# KiCad board prototype_01.kicad_pcb (continued)
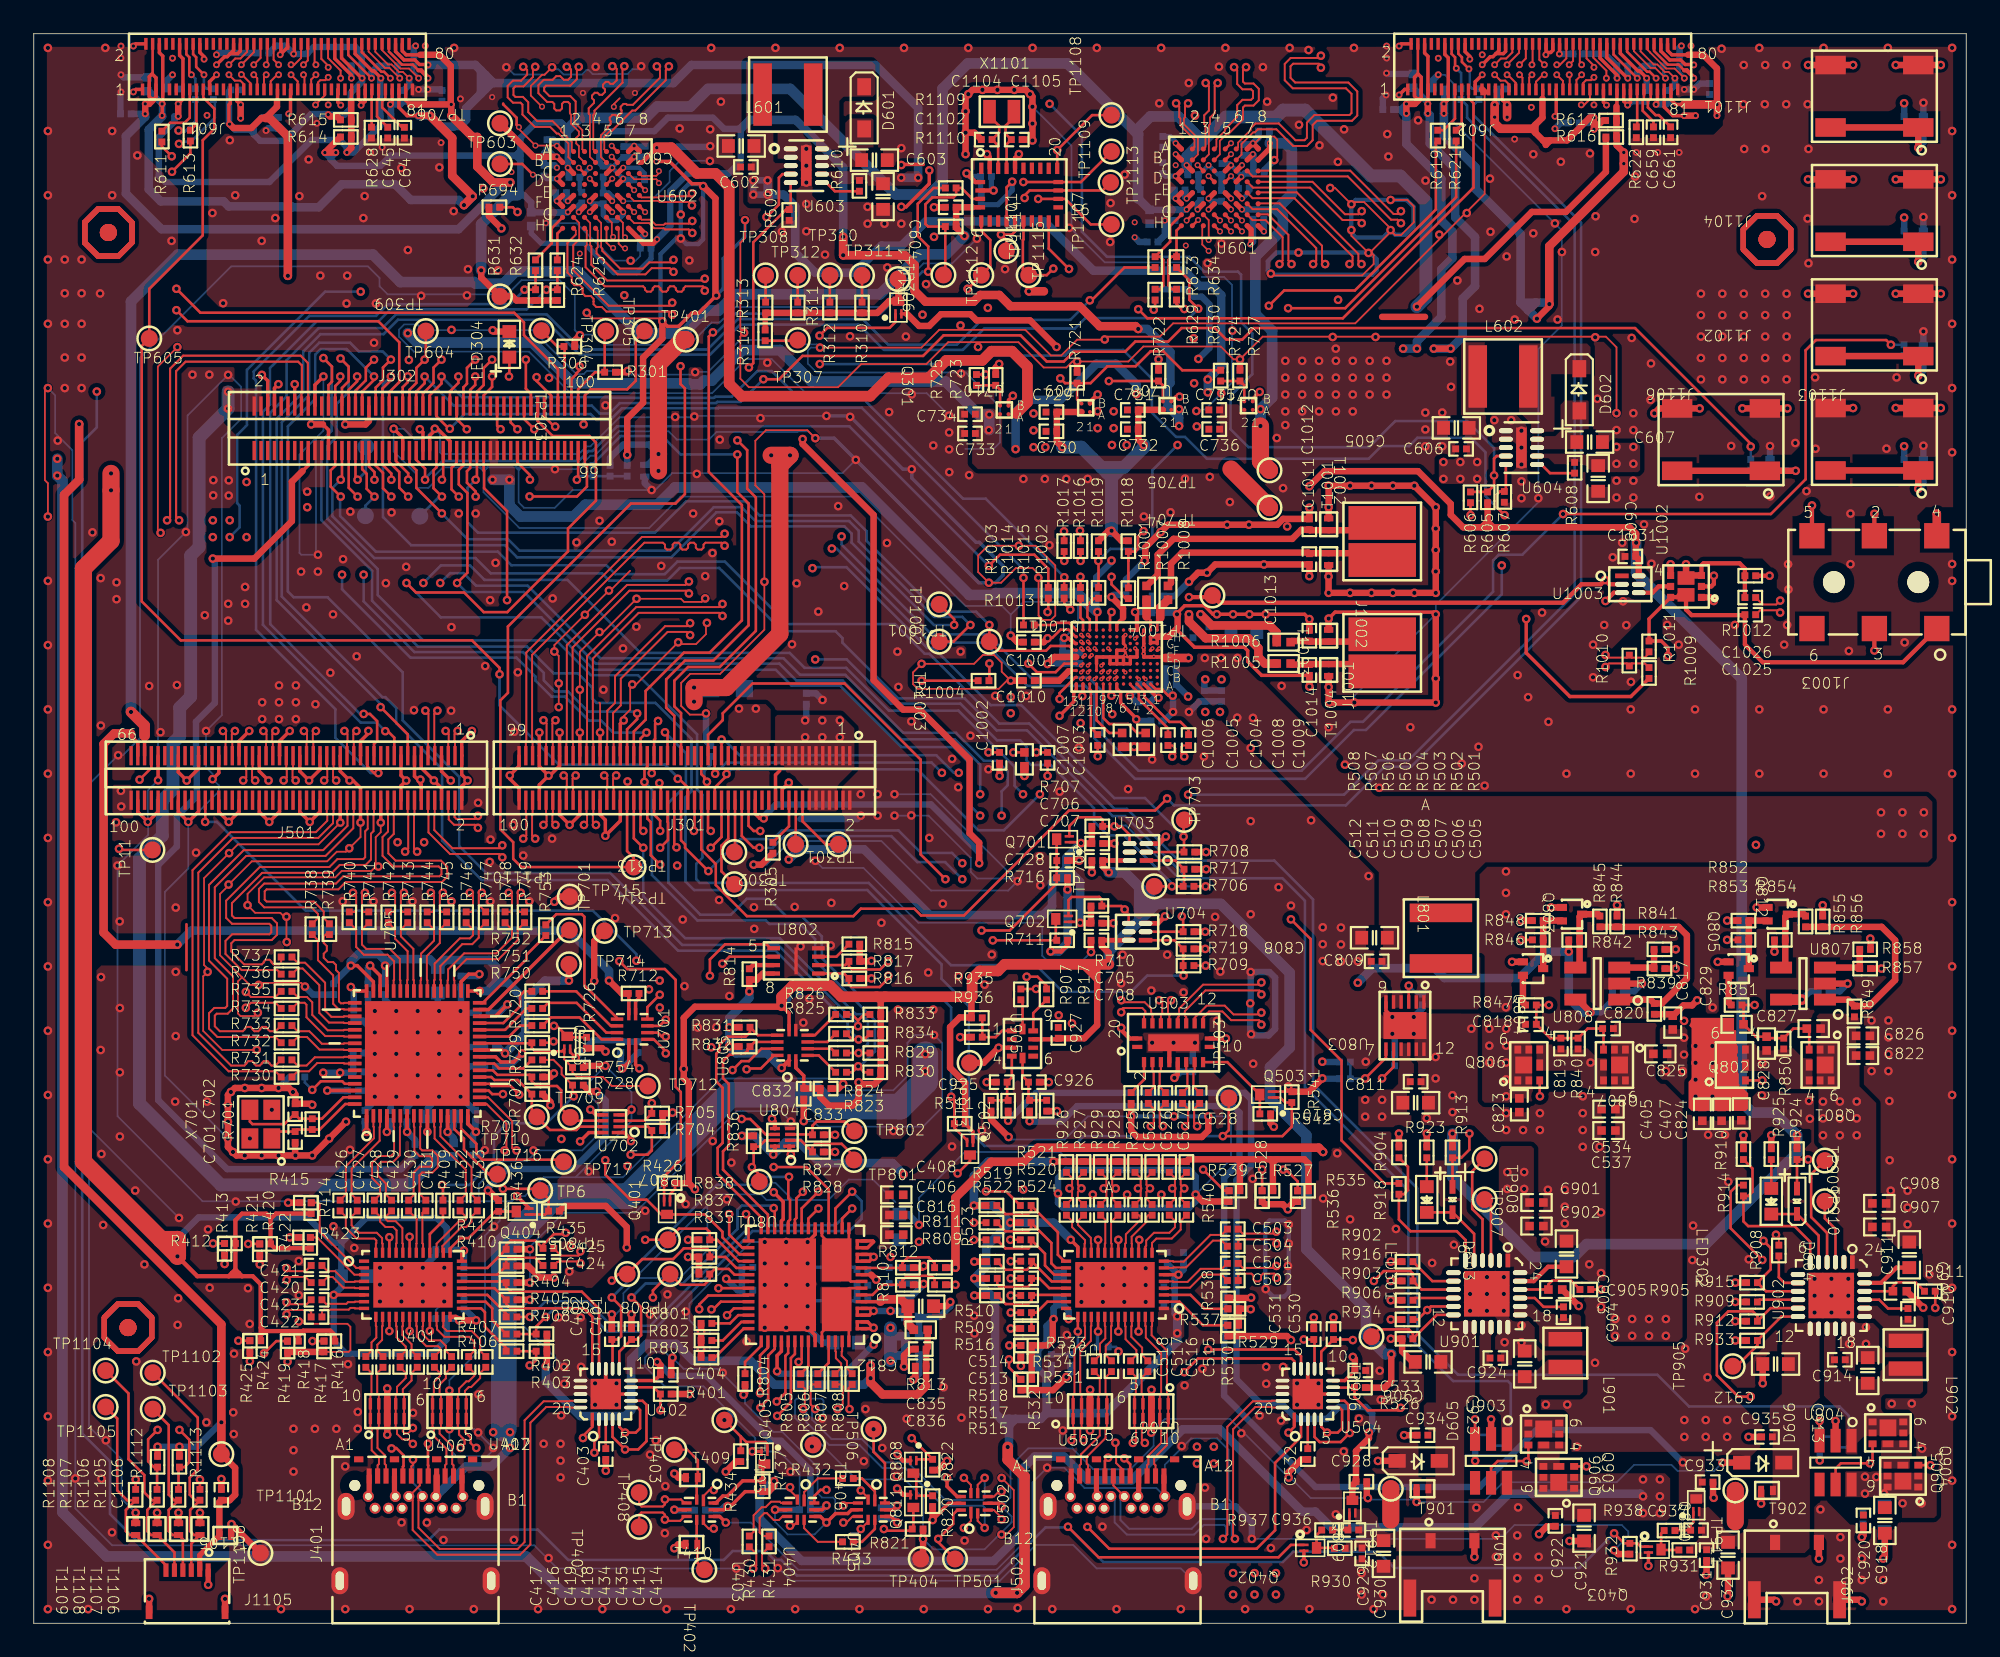
[diagram p0: board, top side]
## Routing (per net, layer and track width the routed paths; a pad name or vN(x,y) marks a point on that pad's centre or on a via; arc(x,y) is an arc through that point) (continued)
  ART03 w0.114: J502.B10 62.42,7.05 62.42,8.5 62.05,8.86 62.05,10.68 v1(62.22,10.85)
R_RX2+: length 10.2
  TOP w0.114: U501.40 66.29,17.63 66.26,17.6 66.26,17.07 67.17,16.17 67.17,13.61 67.25,13.53 U506.1 U506.10 67.25,11.61 67.17,11.53 67.17,10.55 66.42,9.8 66.42,9.44 66.5,9.37 J502.A11
R_RX2-: length 10.2
  TOP w0.114: J502.A10 66,9.37 66.07,9.44 66.07,9.94 66.83,10.7 66.83,11.53 66.75,11.61 U506.9 U506.2 66.75,13.53 66.83,13.61 66.83,16.02 65.92,16.93 65.92,17.6 65.89,17.63 U501.39
R_RX2N: length 34.1
  TOP w0.114: C502.1 71.4,20.61 71.51,20.73 72.18,20.73 72.29,20.61 72.29,20.38 72.41,20.27 72.64,20.27 72.75,20.38 72.75,20.61 72.87,20.73 73.54,20.73 73.66,20.61 v1(73.66,20.47) ; U503.14 68.31,35.94 68.24,36.02 68.24,36.29 69.46,37.52 72.66,37.52 72.77,37.4 v1(72.77,37.28)
  ART06 w0.114: v1(73.66,20.47) 73.47,20.66 72.69,20.66 72.38,20.97 72.38,21.72 72.69,22.03 74.66,22.03 77.74,25.11 77.74,34.43 74.69,37.48 72.89,37.48 72.77,37.36 v1(72.77,37.28)
R_RX2P: length 34.2
  TOP w0.114: v1(72.77,37.99) 72.64,37.86 69.31,37.86 67.89,36.44 67.89,35.99 67.81,35.91 U503.15 ; C501.1 71.66,21.07 73.54,21.07 v1(73.66,21.18)
  ART06 w0.114: v1(72.77,37.99) 72.94,37.82 73.4,37.82 73.61,38.03 73.86,38.03 74.07,37.82 74.83,37.82 75,37.65 75.31,37.65 75.48,37.48 75.48,37.17 75.65,37.01 75.95,37.01 76.12,36.84 76.12,36.53 76.29,36.36 76.6,36.36 76.77,36.19 76.77,35.88 78.08,34.57 78.08,24.97 74.81,21.69 72.83,21.69 72.72,21.58 72.72,21.11 72.83,21 73.47,21 v1(73.66,21.18)
R_SBU1: length 19.8
  TOP w0.152: v1(57.91,18.41) R517.2 ; 74.72,15.09 74.72,15.53 74.56,15.7 69.01,15.7 v1(68.2,14.88)
  ART06 w0.152: v1(57.91,18.41) 58.44,18.41 60.36,16.49 63.6,16.49 63.75,16.65 66.44,16.65 v1(68.2,14.88)
R_SBU2: length 20
  TOP w0.152: v1(57.91,19.43) R518.2 ; 75.12,15.09 75.12,15.84 74.73,16.23 v1(69.62,16.23)
  ART06 w0.152: v1(69.62,16.23) 67.58,16.23 65.43,18.38 62.08,18.38 61.04,19.43 v1(57.91,19.43)
R_SPI_CLK: length 70.8
  TOP w0.152: R619.2 83.11,87.76 83.11,83.81 78.31,79.01 74.12,79.01 v1(73.21,78.1) ; J301.44 39.97,47.14 v1(40.13,46.97)
  ART03 w0.122: v1(40.13,46.97) 40.57,46.97 42.57,48.97 46.41,48.97 49.33,51.89 49.33,58.63 56.79,66.1 65.7,66.1 70.89,71.28 70.89,72.13 73.06,74.3 73.06,77.95 v1(73.21,78.1)
R_SPI_CS: length 92.5
  TOP w0.152: J301.42 40.37,49.54 41.07,50.24 v1(41.07,50.35)
  ART03 w0.122: v1(59.64,49.15) 60.06,48.73 64.89,48.73 65.54,48.08 67.39,48.08 v1(68.43,49.12)
  BOTTOM w0.152: v1(41.07,50.35) 41.34,50.62 52.38,50.62 55.99,47.02 57.51,47.02 v1(59.64,49.15) ; R618.2 84.96,89.98 84.96,89.26 91.34,82.88 91.34,61.01 81.48,51.16 79.71,51.16 77.67,49.12 v1(68.43,49.12)
R_SPI_MISO: length 73.1
  TOP w0.152: R621.2 84.32,84.54 77.74,77.96 v1(74.36,77.96) ; v1(39.13,46.97) 39.17,47.01 J301.48
  ART03 w0.122: v1(74.36,77.96) 73.69,78.63 72.98,78.63 72.72,78.37 72.72,74.44 70.6,72.33 70.6,71.45 65.54,66.39 56.54,66.39 48.79,58.64 48.79,52.15 46,49.35 42.29,49.35 40.74,47.8 39.96,47.8 v1(39.13,46.97)
R_SPI_MOSI: length 98.2
  TOP w0.152: v1(67.18,48.89) 66.47,48.18 61.37,48.18 55.14,41.96 52.6,41.96 52.2,42.36 49.03,42.36 48.59,41.92 42.28,41.92 40.43,43.77 40.43,45.01 39.57,45.87 J301.46
  BOTTOM w0.152: R620.2 85.34,90 85.34,89.41 91.72,83.04 91.72,60.85 81.65,50.78 80.07,50.78 77.77,48.49 67.59,48.49 v1(67.18,48.89)
R_STAT: length 4.9
  TOP w0.152: U901.5 85.38,23.09 D603.2 84.09,24.36 LED301.2
R_STBY: length 70.2
  TOP w0.152: v1(20.2,66.79) 19.74,67.25 19.74,68.15 19.47,68.41 J302.33 ; v4(68.99,86.44) U601.C3
  ART06 w0.122: v1(20.2,66.79) 20.2,65.91 21.65,64.46 31.14,64.46 33.58,66.91 33.58,69.19 36.72,72.32 44.97,72.32 45.44,72.79 50.13,72.79 53.03,75.68 55.27,75.68 56.15,76.56 58.8,76.56 63.09,80.85 63.09,85.18 66.06,88.14 68.53,88.14 68.99,87.68 v4(68.99,86.44)
  BOTTOM w0.152: TP601.1 19.66,66.26 v1(20.2,66.79)
R_TX1+: length 6.9
  TOP w0.114: J502.A2 62,9.37 62.07,9.44 62.07,10.01 63.19,11.12 63.19,11.53 63.11,11.61 U505.4 U505.7 63.11,13.53 63.19,13.61 63.19,14.6 C518.2
R_TX1-: length 6.9
  TOP w0.114: C517.2 63.53,14.57 63.53,13.61 63.61,13.53 U505.6 U505.5 63.61,11.61 63.53,11.53 63.53,10.98 62.42,9.86 62.42,9.44 62.5,9.37 J502.A3
R_TX2+: length 8.9
  TOP w0.114: v1(65.86,10.69) 65.68,10.87 65.68,11.55 65.75,11.61 U506.7 U506.4 65.75,13.53 65.67,13.61 65.67,14.55 C515.2
  ART03 w0.114: J502.B2 66.42,7.05 66.42,8.49 65.68,9.23 65.68,10.51 v1(65.86,10.69)
R_TX2-: length 8.9
  TOP w0.114: C516.2 65.33,14.62 65.33,13.61 65.25,13.53 U506.5 U506.6 65.25,11.61 65.34,11.52 65.34,10.88 v1(65.15,10.69)
  ART03 w0.114: v1(65.15,10.69) 65.34,10.51 65.34,9.08 66.07,8.35 66.07,7.05 J502.B3
R_TX2N: length 24.1
  TOP w0.114: v1(73.66,22.5) 73.66,22.64 73.54,22.76 71.51,22.76 71.4,22.64 C504.1 ; U503.12 69.31,35.91 69.67,36.27 70.46,36.27 70.98,35.75 72.63,35.75 72.77,35.62 v1(72.77,35.49)
  ART06 w0.114: v1(72.77,35.49) 72.95,35.67 74.16,35.67 75.13,34.7 75.13,26.53 72.52,23.91 72.52,23 72.83,22.69 73.47,22.69 v1(73.66,22.5)
R_TX2P: length 24.2
  TOP w0.114: C503.1 71.66,23.1 73.54,23.1 v1(73.66,23.22) ; v1(72.77,36.2) 72.66,36.1 71.12,36.1 70.6,36.61 69.53,36.61 68.81,35.9 U503.13
  ART06 w0.114: v1(73.66,23.22) 73.47,23.03 72.97,23.03 72.86,23.15 72.86,23.77 75.47,26.38 75.47,34.84 74.3,36.02 72.95,36.02 v1(72.77,36.2)
R_VBAT: length 1.9
  TOP w1.016: 80.44,6.12 TP912.1
R_VBUS: length 42.1
  TOP w0.203: U801.3 49.53,18.27 v1(49.78,18.52) 49.63,18.67 U801.4
  TOP w0.305: J502.B4 65.5,7.57 J502.A9 ; J502.B9 63,7.57 J502.A4
  ART05 w0.762: v1(50.78,15.57) 50.78,14.37 54.86,10.29 56.36,10.29 57.18,9.47 59.18,9.47
  ART06 w0.762: 62.41,8.92 61.75,8.92 60.66,10.01 59.56,10.01 59.03,9.47 57.15,9.47 56.36,10.26 54.89,10.26 50.78,14.37 v1(50.78,15.57) v1(50.78,17.52) v1(50.78,18.52) v1(49.78,18.52)
  BOTTOM w0.381: v1(49.78,18.52) v1(50.78,18.52) 51.3,18.52 C815.1
  BOTTOM w0.508: v1(50.78,15.57) 51.09,15.88 C535.1 C536.1 50.78,17.02
  BOTTOM w0.762: v1(50.78,15.57) v1(50.78,17.52)
  vias: v1(68.95,10.46) v1(68.95,9.46) v1(69.95,10.46) v1(69.95,9.46) v1(93.75,18.04) v1(93.75,17.04) v1(94.75,18.04) v1(94.75,17.04) v1(95.75,18.04) v1(95.75,17.04) v1(96.75,18.04) v1(96.75,17.04)
R_VDD1_1V8: length 47.6
  TOP w0.203: v5(83.59,90.07) 83.85,90.33 J602.13 83.85,92.81 83.65,93.01 J602.12 ; J602.63 93.85,89.95 93.82,89.92 ; J602.64 94.05,93.07 95.08,92.04 95.18,92.04 95.61,91.61 v5(95.61,91.6)
  TOP w0.381: v1(89.84,78.21) 89.84,78.08 v1(89.1,77.34) ; 93.82,89.92 R617.1 93.82,88.12 R616.1 93.83,87.62 v5(94.25,87.2) ; v5(83.59,89.51) v5(83.59,90.07)
  TOP w0.508: v5(94.25,87.2) v5(94.25,86.53) 94.25,86.06 89.84,81.64 89.84,78.21 v1(89.84,78.21)
  ART03 w0.381: v5(94.25,86.53) v5(94.25,87.2) 94.25,88.06 95.61,89.41 v5(95.61,91.6)
  BOTTOM w0.381: C656.2 83.61,90.09 v5(83.59,90.07) ; v5(95.61,91.6) 95.61,90.9 C651.2
  BOTTOM w0.508: 89.04,78.29 89.75,78.29 v1(89.84,78.21) ; 89.04,78.29 88.14,78.29 ; 89.04,78.29 88.59,77.84 ; 88.14,78.29 88.13,78.3 88.13,82.36 85.48,85.02 85.48,86.3 83.59,88.19 v5(83.59,89.51) v5(83.59,90.07) ; 88.14,78.29 88.59,77.84 ; 88.59,77.84 88.6,77.84 v1(89.1,77.34)
R_VDD_10V: length 72
  TOP w0.203: J602.76 96.45,93.21 96.98,92.68 97.62,92.68 97.89,92.41 98.38,92.41 v5(98.4,92.39) ; 82.65,90.08 J602.7 82.65,92.89 82.45,93.09 J602.6 ; v5(97.84,89.38) 97.16,89.38 96.65,89.89 J602.77
  TOP w0.381: 82.65,90.08 v5(82.64,90.07) v5(82.64,89.51) ; v1(82.99,75.56) v1(83.99,75.56) ; v5(97.84,89.38) v5(98.51,89.38)
  ART06 w0.381: v1(94.82,68.74) v1(94.82,69.74) ; v1(94.82,69.74) 96.31,69.74 96.98,70.41 96.98,88.51 v5(97.84,89.38) v5(98.51,89.38) 98.77,89.38 99.14,89.74 99.14,91.65 v5(98.4,92.39) ; v1(94.82,69.74) v1(93.82,69.74) ; v1(93.82,69.74) 93.35,69.74 87.52,75.56 v1(83.99,75.56) v1(82.99,75.56) ; v1(93.82,69.74) v1(93.82,68.74)
  BOTTOM w0.381: C650.2 82.64,90.16 v5(82.64,90.07) v5(82.64,89.51)
  BOTTOM w0.508: v5(82.64,89.51) 82.75,89.39 82.75,87.73 84.26,86.22 84.26,83.35 85.44,82.18 85.44,79.26 84.7,78.53 84.7,76.28 v1(83.99,75.56) v1(82.99,75.56)
REXT: length 3.7
  TOP w0.152: v1(16.51,31.62) 17.02,32.13 18.29,32.13 18.44,31.98 U705.61
  BOTTOM w0.152: v1(16.51,31.62) 16.07,32.06 R713.2
RLV1A: length 35.3
  TOP w0.114: U601.F7 72.25,83.83 73.71,83.83 76.02,81.52 76.02,80.76 v1(75.84,80.58) ; v5(86.6,91.8) 86.94,91.46 87.22,91.46 87.45,91.23 J602.31
  ART03 w0.102: 83.77,91.07 83.79,91.07 83.86,91.14 86.21,91.14 86.43,91.36 86.43,91.64 v5(86.6,91.8)
  ART03 w0.114: v1(75.84,80.58) 76.02,80.39 76.02,79.91 76.52,79.41 77.14,79.41 77.46,79.73 77.46,84.29 78.65,85.48 81.62,85.48 82.12,85.99 82.12,87.74 80.63,89.23 79.14,89.23 78.96,89.42 78.96,90.81 79.21,91.07 83.77,91.07
RLV1B: length 35.3
  TOP w0.114: v5(86.6,92.4) 86.97,92.77 87.28,92.77 87.65,93.13 J602.32 ; U601.F8 72.6,84.18 73.85,84.18 76.37,81.67 76.37,80.76 v1(76.55,80.58)
  ART03 w0.102: 83.77,91.41 83.79,91.41 83.86,91.34 86.13,91.34 86.23,91.44 86.23,92.03 v5(86.6,92.4)
  ART03 w0.114: v1(76.55,80.58) 76.37,80.39 76.37,80.05 76.66,79.75 77,79.75 77.11,79.87 77.11,84.43 78.51,85.83 81.47,85.83 81.78,86.13 81.78,87.6 80.48,88.89 79,88.89 78.61,89.27 78.61,90.95 79.07,91.41 83.77,91.41
RLV2A: length 35.2
  TOP w0.114: J602.33 87.85,91.32 87.37,91.8 v5(87.34,91.8) ; v1(81.04,83) 80.84,83.21 80.46,83.21 77.89,85.77 72.26,85.77 U601.C7
  ART03 w0.102: 85.59,90.11 85.59,90.14 85.53,90.21 85.53,90.53 85.63,90.63 86.51,90.63 87.17,91.28 87.17,91.64 v5(87.34,91.8)
  ART03 w0.114: v1(81.04,83) 81.23,83.19 83.07,83.19 83.38,83.5 83.38,84.94 83.5,85.05 83.89,85.05 84,84.94 84,83.1 84.39,82.72 85.36,82.72 85.79,83.14 85.79,86.15 85.4,86.53 83.4,86.53 83.29,86.65 83.29,87.04 83.4,87.15 85.2,87.15 85.52,87.47 85.52,88.24 85.2,88.55 84.94,88.55 84.82,88.67 84.82,89.06 84.94,89.18 85.2,89.18 85.59,89.57 85.59,90.11
RLV2B: length 35.1
  TOP w0.114: v5(87.34,92.4) 88.05,93.11 J602.34 ; U601.C8 72.59,86.12 78.04,86.12 80.6,83.55 80.88,83.55 v1(81.04,83.72)
  ART03 w0.102: v5(87.34,92.4) 87.04,92.1 86.97,92.03 86.97,91.37 86.43,90.83 85.48,90.83 85.32,90.67 85.32,90.21 85.25,90.14 85.25,90.11
  ART03 w0.114: v1(81.04,83.72) 81.23,83.53 81.54,83.53 81.73,83.72 82.16,83.72 82.35,83.53 82.92,83.53 83.04,83.65 83.04,85.08 83.35,85.39 84.03,85.39 84.35,85.08 84.35,83.24 84.53,83.06 85.22,83.06 85.45,83.29 85.45,86 85.26,86.19 83.26,86.19 82.94,86.5 82.94,87.18 83.26,87.5 85.06,87.5 85.17,87.61 85.17,88.1 85.06,88.21 84.8,88.21 84.48,88.53 84.48,89.2 84.8,89.52 85.06,89.52 85.25,89.71 85.25,90.11
RLV3A: length 36.3
  TOP w0.114: v5(88.07,91.8) 88.25,91.63 J602.35 ; U601.D7 72.27,85.11 75.66,85.11 77.58,83.19 78.53,83.19 v1(78.72,83.01)
  ART03 w0.102: 87.37,87.78 87.37,87.81 87.3,87.88 87.3,88.32 87.91,88.93 87.91,91.64 v5(88.07,91.8)
  ART03 w0.114: 87.37,87.78 87.37,87.15 87.05,86.83 86.87,86.83 86.75,86.72 86.75,86.36 86.91,86.21 87.05,86.21 87.37,85.89 87.37,85.21 87.05,84.9 86.87,84.9 86.75,84.79 86.75,84.39 86.87,84.28 87.05,84.28 87.37,83.96 87.37,81.96 86.95,81.53 84.03,81.53 83.91,81.42 83.91,80.12 83.6,79.81 82.92,79.81 82.6,80.12 82.6,81.42 82.49,81.53 82.1,81.53 81.98,81.42 81.98,80.12 81.67,79.81 80.99,79.81 80.67,80.12 80.67,81.42 80.56,81.53 80.16,81.53 79.6,82.09 79.6,83.01 79.49,83.12 78.83,83.12 v1(78.72,83.01)
RLV3B: length 36.2
  TOP w0.114: J602.36 88.45,92.77 v5(88.07,92.4) ; v1(78.72,83.72) 78.53,83.53 77.72,83.53 75.8,85.45 72.58,85.45 U601.D8
  ART03 w0.102: 87.03,87.78 87.03,87.81 87.1,87.88 87.1,88.4 87.7,89.01 87.7,92.03 v5(88.07,92.4)
  ART03 w0.114: 87.03,87.78 87.03,87.29 86.91,87.17 86.73,87.17 86.41,86.86 86.41,86.22 86.76,85.87 86.91,85.87 87.03,85.75 87.03,85.36 86.91,85.24 86.73,85.24 86.41,84.93 86.41,84.25 86.73,83.93 86.91,83.93 87.03,83.82 87.03,82.1 86.8,81.88 83.88,81.88 83.57,81.56 83.57,80.26 83.45,80.15 83.06,80.15 82.95,80.26 82.95,81.56 82.63,81.88 81.95,81.88 81.64,81.56 81.64,80.26 81.52,80.15 81.13,80.15 81.02,80.26 81.02,81.56 80.7,81.88 80.3,81.88 79.95,82.24 79.95,83.15 79.63,83.46 78.87,83.46 78.72,83.61 v1(78.72,83.72)
RLV4A: length 36.9
  TOP w0.114: U601.E7 72.25,84.48 74.73,84.48 78.18,81.04 78.18,80.76 v1(77.99,80.58) ; J602.37 88.65,91.64 v5(88.81,91.8)
  ART03 w0.102: v5(88.81,91.8) 88.64,91.64 88.64,90.57 88.39,90.32 88.39,87.65 88.46,87.58 88.46,87.55
  ART03 w0.114: 88.46,87.55 88.46,80.15 86.96,78.65 86.19,78.65 85.87,78.97 85.87,80.45 85.76,80.57 85.37,80.57 85.25,80.45 85.25,79.11 84.94,78.79 78.43,78.79 78.12,79.11 78.12,80.45 v1(77.99,80.58)
RLV4B: length 37
  TOP w0.114: v1(78.7,80.58) 78.52,80.76 78.52,81.18 74.87,84.83 72.6,84.83 U601.E8 ; v5(88.81,92.4) 88.85,92.43 J602.38
  ART03 w0.102: v5(88.81,92.4) 88.44,92.03 88.44,90.66 88.19,90.41 88.19,87.65 88.12,87.58 88.12,87.55
  ART03 w0.114: 88.12,87.55 88.12,80.3 86.82,78.99 86.33,78.99 86.22,79.11 86.22,80.6 85.9,80.91 85.22,80.91 84.91,80.6 84.91,79.25 84.79,79.13 78.57,79.13 78.46,79.25 78.46,79.46 78.57,79.57 78.6,79.57 78.71,79.68 78.71,79.91 78.6,80.03 78.57,80.03 78.46,80.14 78.46,80.46 78.57,80.58 v1(78.7,80.58)
RLV5A: length 36.4
  TOP w0.114: U601.G7 72.25,83.19 73.01,83.19 74.03,82.17 74.03,80.78 73.84,80.6 v1(73.84,80.58) ; v5(89.54,91.8) 89.46,91.8 89.05,91.39 J602.39
  ART03 w0.102: 89.68,90.17 89.68,90.2 89.61,90.27 89.61,90.8 89.38,91.03 89.38,91.64 v5(89.54,91.8)
  ART03 w0.114: 89.68,90.17 89.68,79.96 86.66,76.94 76.96,76.94 74.03,79.87 74.03,80.39 v1(73.84,80.58)
RLV5B: length 36.3
  TOP w0.114: v1(74.56,80.58) 74.56,80.6 74.37,80.78 74.37,82.31 73.16,83.53 72.6,83.53 U601.G8 ; J602.40 89.25,92.69 v5(89.54,92.4)
  ART03 w0.102: v5(89.54,92.4) 89.18,92.03 89.18,90.94 89.4,90.72 89.4,90.27 89.33,90.2 89.33,90.17
  ART03 w0.114: 89.33,90.17 89.33,80.1 86.51,77.28 77.1,77.28 75.78,78.61 75.78,78.77 75.78,78.77 75.78,78.93 75.62,79.1 75.45,79.1 75.45,79.09 75.29,79.09 75.13,79.25 75.13,79.42 75.13,79.42 75.13,79.58 74.97,79.74 74.81,79.74 74.81,79.74 74.64,79.74 74.37,80.01 74.37,80.39 v1(74.56,80.58)
RLV6A: length 35.2
  TOP w0.102: 68.24,89.31 68.24,89.28 68.17,89.21 68.17,88.87 69.01,88.04 69.01,87.08 U601.B2
  TOP w0.114: v1(68.43,90.11) 68.24,89.93 68.24,89.31 ; J602.53 91.85,91.31 92.01,91.48 92.32,91.48 v5(92.48,91.65)
  ART06 w0.102: 90.87,88.04 90.87,88.06 90.8,88.13 90.8,90.06 92.4,91.65 v5(92.48,91.65)
  ART06 w0.114: v1(68.43,90.11) 68.57,90.25 68.89,90.25 69.01,90.13 69.01,90.09 69.12,89.98 69.35,89.98 69.46,90.09 69.46,90.13 69.58,90.25 69.82,90.25 69.97,90.1 69.97,89.94 69.94,89.91 69.94,89.75 70.1,89.59 70.26,89.59 70.29,89.62 70.45,89.62 70.69,89.38 75.23,89.38 78.5,86.11 89.25,86.11 90.87,87.73 90.87,88.04
RLV6B: length 35.3
  TOP w0.102: 67.9,89.31 67.9,89.28 67.97,89.21 67.97,88.79 68.8,87.96 68.8,87.53 U601.A2
  TOP w0.114: J602.54 92.05,92.77 92.48,92.34 v5(92.48,92.24) ; 67.9,89.31 67.9,89.93 v1(67.72,90.11)
  ART06 w0.102: 90.53,88.04 90.53,88.06 90.6,88.13 90.6,90.14 92.11,91.65 92.11,91.87 v5(92.48,92.24)
  ART06 w0.114: v1(67.72,90.11) 68.2,90.59 69.96,90.59 70.83,89.73 75.37,89.73 78.65,86.45 89.11,86.45 90.53,87.87 90.53,88.04
RLV7A: length 34.9
  TOP w0.102: 69.73,88.9 69.73,88.87 69.66,88.8 69.66,87.08 U601.B3
  TOP w0.114: 69.73,88.9 69.73,89.26 70,89.53 70,91.14 v1(70.18,91.31) ; J602.51 91.45,91.49 v5(91.75,91.8)
  ART06 w0.102: 89.71,88.65 89.71,89.7 91.59,91.58 91.59,91.64 v5(91.75,91.8)
  ART06 w0.114: 89.71,88.65 89.53,88.46 89.53,88.2 89.34,88.01 89.07,88.01 88.24,87.17 80.75,87.17 80.48,87.44 78.77,87.44 78.17,88.04 78.17,88.73 78.33,88.9 78.33,89.06 78.05,89.34 77.89,89.34 77.64,89.09 77.2,89.09 75.95,90.34 73.64,90.34 73.2,90.77 73.2,91.21 73.09,91.33 72.69,91.33 72.58,91.21 72.58,90.65 72.26,90.34 71.64,90.34 71.24,90.73 71.08,90.73 71,90.65 70.84,90.65 70.68,90.81 70.68,90.97 70.76,91.05 70.76,91.21 70.53,91.44 70.31,91.44 v1(70.18,91.31)
RLV7B: length 34.9
  TOP w0.102: U601.A3 69.45,87.53 69.45,88.8 69.38,88.87 69.38,88.9
  TOP w0.114: v1(69.47,91.31) 69.66,91.12 69.66,89.68 69.38,89.4 69.38,88.9 ; J602.52 91.65,92.5 v5(91.75,92.4)
  ART06 w0.102: v5(91.75,92.4) 91.39,92.03 91.39,91.66 89.51,89.79 89.51,88.93 89.47,88.89
  ART06 w0.114: v1(69.47,91.31) 69.94,91.78 70.68,91.78 71.78,90.68 72.12,90.68 72.24,90.79 72.24,91.35 72.55,91.67 73.23,91.67 73.54,91.35 73.54,90.91 73.78,90.68 76.09,90.68 77.34,89.43 77.5,89.43 77.75,89.68 78.19,89.68 78.67,89.2 78.67,88.76 78.51,88.59 78.51,88.19 78.91,87.79 80.62,87.79 80.89,87.52 88.1,87.52 89.47,88.89
RLV8A: length 35.5
  TOP w0.102: U601.B4 70.31,87.08 70.31,87.88 70.73,88.31 70.83,88.31 70.85,88.33
  TOP w0.114: 70.85,88.33 71.68,89.16 71.68,89.86 71.79,89.97 72.3,89.97 72.62,90.29 72.62,90.97 72.3,91.28 71.79,91.28 71.68,91.4 71.68,92.07 v1(71.86,92.25) ; v5(91.02,91.8) 91.05,91.77 J602.49
  ART06 w0.102: v5(91.02,91.8) 90.85,91.64 90.85,91.56 89.84,90.55 88.72,90.55 88.46,90.29 88.46,90.19 88.44,90.17
  ART06 w0.114: v1(71.86,92.25) 71.68,92.44 71.68,92.8 71.79,92.91 73.58,92.91 74.11,92.39 74.11,92.23 74.06,92.19 74.06,92.03 74.23,91.87 74.39,91.87 74.43,91.91 74.59,91.91 75.17,91.33 78.06,91.33 81.09,88.3 84.23,88.3 84.67,88.73 84.67,89.73 84.79,89.84 85.27,89.84 85.38,89.73 85.38,88.68 85.93,88.14 87.27,88.14 88.14,89 88.14,89.87 88.44,90.17
RLV8B: length 35.6
  TOP w0.102: 70.61,88.57 70.61,88.47 70.1,87.97 70.1,87.53 U601.A4
  TOP w0.114: 70.61,88.57 71.34,89.3 71.34,90 71.65,90.32 72.16,90.32 72.28,90.43 72.28,90.83 72.16,90.94 71.65,90.94 71.34,91.25 71.34,92.07 v1(71.15,92.25) ; v5(91.02,92.4) 91.25,92.62 J602.50
  ART06 w0.102: 88.2,90.41 88.22,90.43 88.31,90.43 88.64,90.75 89.76,90.75 90.65,91.65 90.65,92.03 v5(91.02,92.4)
  ART06 w0.114: v1(71.15,92.25) 71.34,92.44 71.34,92.94 71.65,93.26 73.73,93.26 75.31,91.67 78.2,91.67 81.23,88.64 84.09,88.64 84.33,88.87 84.33,89.87 84.64,90.18 85.41,90.18 85.72,89.87 85.72,88.82 86.07,88.48 87.13,88.48 87.8,89.14 87.8,90.01 88.2,90.41
RLV9A: length 35
  TOP w0.102: 72.4,88.4 72.38,88.38 72.28,88.38 71.6,87.7 71.6,87.07 U601.B6
  TOP w0.114: v1(76.3,92.22) 76.3,92.34 76.18,92.46 74.65,92.46 74.5,92.3 74.5,91.62 74.77,91.34 77.93,91.34 78.46,90.81 78.46,89.39 78.14,89.07 76.06,89.07 75.81,88.82 75.81,87.92 75.47,87.58 74.65,87.58 73.66,88.57 72.57,88.57 72.4,88.4 ; v5(90.28,91.8) 90.65,91.44 J602.47
  ART06 w0.102: 89,91.01 89.03,91.01 89.1,91.08 89.63,91.08 90.12,91.57 90.12,91.64 v5(90.28,91.8)
  ART06 w0.114: 89,91.01 79.9,91.01 79.18,91.74 79.02,91.74 78.95,91.67 78.79,91.67 78.63,91.83 78.63,91.99 78.69,92.06 78.69,92.22 78.49,92.43 78.14,92.43 78,92.29 77.69,92.29 77.55,92.43 76.41,92.43 76.3,92.32 v1(76.3,92.22)
RLV9B: length 35
  TOP w0.102: U601.A6 71.39,87.52 71.39,87.78 72.14,88.53 72.14,88.63 72.16,88.64
  TOP w0.114: 72.16,88.64 72.42,88.91 73.8,88.91 74.79,87.92 75.33,87.92 75.47,88.06 75.47,88.97 75.92,89.42 78,89.42 78.11,89.53 78.11,90.67 77.78,91 74.63,91 74.16,91.48 74.16,92.45 74.51,92.8 76.16,92.8 v1(76.3,92.93) ; J602.48 90.85,92.77 90.47,92.4 v5(90.28,92.4)
  ART06 w0.102: 89,91.36 89.03,91.36 89.1,91.29 89.55,91.29 89.91,91.65 89.91,92.03 v5(90.28,92.4)
  ART06 w0.114: 89,91.36 80.04,91.36 78.63,92.77 76.46,92.77 v1(76.3,92.93)
RLV10A: length 35.5
  TOP w0.114: v5(91.73,90.02) 91.91,90.02 92.25,90.36 J602.55
  TOP w0.152: U601.B5 v4(70.97,87.09)
  ART06 w0.102: 91.43,87.07 91.43,87.1 91.36,87.17 91.36,87.53 91.59,87.76 91.59,88 91.36,88.23 91.36,88.43 91.6,88.67 91.6,88.89 91.36,89.13 91.36,89.85 91.53,90.02 v5(91.73,90.02)
  ART06 w0.114: v4(70.97,87.09) 70.97,87.23 71.08,87.34 71.53,87.34 71.84,87.66 71.84,87.95 72.31,88.42 74.23,88.42 77.59,85.06 81.11,85.06 82.71,83.47 84.02,83.47 84.66,84.11 84.66,84.95 84.77,85.06 85.17,85.06 85.28,84.95 85.28,84.32 85.59,84 86.27,84 86.59,84.32 86.59,84.77 86.88,85.06 87.25,85.06 87.37,84.95 87.37,84.79 87.48,84.67 87.71,84.67 87.82,84.79 87.82,84.95 87.94,85.06 88.17,85.06 88.28,84.95 88.28,84.79 88.39,84.67 88.62,84.67 88.74,84.79 88.74,84.95 88.85,85.06 89.08,85.06 89.19,84.95 89.19,84.79 89.31,84.67 89.54,84.67 89.65,84.79 89.65,84.95 89.77,85.06 89.99,85.06 90.11,84.95 90.11,84.79 90.22,84.67 90.45,84.67 90.57,84.79 90.57,84.95 90.68,85.06 90.97,85.06 91.43,85.53 91.43,86.15 91.55,86.26 91.64,86.26 91.76,86.38 91.76,86.61 91.64,86.72 91.55,86.72 91.43,86.84 91.43,87.07
RLV10B: length 35.5
  TOP w0.114: v5(93.22,91.6) 93.22,92.05 92.45,92.82 J602.56
  TOP w0.152: U601.A5 v4(70.97,87.74)
  ART06 w0.102: 91.09,87.07 91.09,87.1 91.16,87.17 91.16,89.97 91.56,90.37 92,90.37 v5(93.22,91.6)
  ART06 w0.114: v4(70.97,87.74) 71.03,87.68 71.39,87.68 71.5,87.8 71.5,88.09 72.17,88.76 74.38,88.76 77.73,85.41 81.26,85.41 82.85,83.81 83.87,83.81 84.31,84.25 84.31,85.09 84.63,85.41 85.31,85.41 85.62,85.09 85.62,84.46 85.74,84.34 86.13,84.34 86.25,84.46 86.25,84.91 86.74,85.41 90.83,85.41 91.09,85.67 91.09,87.07
RR_VBAT: length 47.9
  TOP w0.381: v1(79.15,11.3) 79.15,10.97 78.38,10.21 C928.1 78.17,8.18 Q809.3 ; v1(57.76,29.79) R927.1
  BOTTOM w0.381: v1(79.15,11.3) 79.34,11.5 79.34,12.43 78.95,12.82 77.36,12.82 76.65,12.12 74.87,12.12 73.91,13.08 72.67,13.08 71.3,14.45 71.3,26.27 72.16,27.14 72.16,31.06 71.78,31.45 59.41,31.45 v1(57.76,29.79)
RSTIN: length 44.6
  TOP w0.152: v1(56.18,41.07) 57.85,41.07 60.64,43.86 R716.1 C728.1 60.64,45.22 Q701.3 ; v1(28.78,31.34) 28.27,31.85 27.15,31.85 27.02,31.98 U705.20
  ART03 w0.122: v1(56.18,41.07) 56.18,41.02 52.44,37.28 52.44,36.74 51.58,35.87 49.74,35.87 49.43,36.18 48.44,36.18 47.86,35.6 47.86,33.37 46.51,32.01 40.09,32.01 39.88,31.8 34.47,31.8 33.95,32.32 32.02,32.32 31.55,31.84 29.28,31.84 v1(28.78,31.34)
RX_HPD: length 3.4
  TOP w0.152: R729.1 29.02,32.89 27.58,32.89 27.3,33.18 U705.23
SENSOR_BOOT: length 50.1
  TOP w0.152: v1(40.26,76.53) 40.01,76.29 40.01,68.26 41.98,66.29 41.98,59.46 40.06,57.54 38.54,57.54 36.27,55.27 36.27,53.57 35.57,52.87 J301.65 ; v1(53.02,80.13) 53.02,81.62 52.4,82.25 52.4,84.15 53.34,85.09 R1109.2
  BOTTOM w0.152: v1(40.26,76.53) 40.48,76.53 41.59,77.64 50.19,77.64 52.67,80.13 v1(53.02,80.13)
SLEEP_33: length 43.6
  TOP w0.152: v1(27.81,31.37) 27.18,31.37 26.96,31.58 U705.19 ; Q702.3 60.59,40.54 R711.2 v1(56.85,40.49)
  ART03 w0.122: v1(27.81,31.37) 27.81,30.69 28.77,29.73 35.68,29.73 35.98,30.04 35.98,30.97 36.38,31.37 39.85,31.37 40.16,31.67 46.7,31.67 48.18,33.16 48.18,35.47 48.57,35.86 49.25,35.86 49.55,35.57 51.78,35.57 52.72,36.51 52.72,37.06 56.15,40.49 v1(56.85,40.49)
SLIMBUS_CLK: length 43.8
  TOP w0.152: v1(24.66,70.82) 24.61,70.82 23.87,71.56 J302.56 ; R1013.2 v1(58.67,61.98)
  BOTTOM w0.152: v1(58.67,61.98) 58.67,62.48 49.08,72.06 40.6,72.06 40.57,72.03 34.86,72.03 34.18,71.34 33.35,71.34 33,71.69 25.54,71.69 v1(24.66,70.82)
SLIMBUS_DATA0: length 45.8
  TOP w0.152: R1014.2 61.08,62 v1(61.09,62.01) ; J302.54 23.47,72.8 24.17,73.5 v1(24.17,73.91)
  BOTTOM w0.152: v1(61.09,62.01) 56.43,66.67 55.09,66.67 49.16,72.59 45.39,72.59 43.75,74.23 42.89,74.23 41.37,72.72 40.4,72.72 40.33,72.65 34.13,72.65 34.09,72.68 25.4,72.68 v1(24.17,73.91)
SS_CLK_SEL: length 47.8
  TOP w0.152: J302.46 21.87,73.28 22.17,73.58 v1(22.17,73.91) ; U1101.10 58.17,82.51 57.99,82.33 v1(57.33,82.33) 57.65,82.01 TP1114.1
  ART06 w0.122: v1(22.17,73.91) 22.68,74.42 23.55,74.42 23.67,74.55 23.67,77.98 24.15,78.45 24.15,79.55 25.57,80.98 31.96,80.98 32.99,79.94 35.95,79.94 37.49,81.48 44.75,81.48 46.15,80.09 49.15,80.09 50.23,81.16 56.17,81.16 v1(57.33,82.33)
SSC_NRST: length 43.8
  TOP w0.152: J302.70 26.67,72.8 27.17,73.3 v1(27.17,73.91) ; v1(60.44,80.31) 60.05,79.92 TP1115.1 58.63,80.27 58.63,82.01 58.67,82.04 U1101.11
  ART06 w0.122: v1(60.44,80.31) 60.44,79.61 58.33,77.51 53.33,77.51 52.93,77.1 52.09,77.1 51.47,77.72 46.55,77.72 44.44,75.61 34.59,75.61 33.97,74.98 30.97,74.98 30.42,74.44 27.69,74.44 v1(27.17,73.91)
SSC_SPI_1_CLK: length 53.4
  TOP w0.152: v1(25.67,70.79) 25.07,71.39 J302.62 ; v1(58.66,85.44) U1101.19 62.07,85.44 TP1109.1
  ART06 w0.122: v1(25.67,70.79) 25.67,71.89 24.64,72.92 24.64,75.62 26.89,77.87 31.06,77.87 32.76,79.56 38.52,79.56 39.95,80.99 44.6,80.99 45.82,79.77 49.28,79.77 50.37,80.86 56.62,80.86 58.25,82.5 58.25,85.03 v1(58.66,85.44)
SSC_SPI_1_CS_N: length 47.6
  TOP w0.152: v1(26.17,74.91) 25.68,74.42 25.68,73.48 25.47,73.27 J302.64 ; v1(58.73,84.5) 58.73,84.65 59.03,84.94 U1101.18 63.36,84.94 TP1113.1
  ART06 w0.122: v1(58.73,84.5) 58.73,80.65 57.41,79.33 56.25,79.33 55.54,78.62 45.93,78.62 44.83,77.52 39.61,77.52 38.59,76.5 33.98,76.5 33.28,75.81 29.71,75.81 29.59,75.93 26.95,75.93 26.17,75.15 v1(26.17,74.91)
SSC_SPI_1_MISO: length 50.5
  TOP w0.152: v1(27.17,74.91) 26.67,74.41 26.67,73.41 26.27,73.01 J302.68 ; U1101.20 v1(60.67,87.34) 62.74,89.41 TP1108.1
  ART06 w0.122: v1(27.17,74.91) 27.64,75.38 29.36,75.38 29.49,75.26 33.74,75.26 34.39,75.91 44.23,75.91 46.38,78.05 55.78,78.05 56.38,78.65 57.88,78.65 60.04,80.81 60.04,86.71 v1(60.67,87.34)
SSC_SPI_1_MOSI: length 47.3
  TOP w0.152: J302.66 25.87,73.11 26.17,73.41 v1(26.17,73.91) ; v1(59.54,84.44) U1101.17 61.15,84.44 62.66,82.93 TP1107.1
  ART06 w0.122: v1(59.54,84.44) 59.6,84.39 59.6,80.91 57.65,78.96 56.28,78.96 55.66,78.34 46.26,78.34 45.11,77.19 39.71,77.19 38.74,76.23 34.21,76.23 33.52,75.53 29.6,75.53 29.48,75.66 27.07,75.66 26.7,75.29 26.7,74.44 v1(26.17,73.91)
